# Altium PCB VESC_DEVICE_75100.PcbDoc (part 1 of 3) (continued)
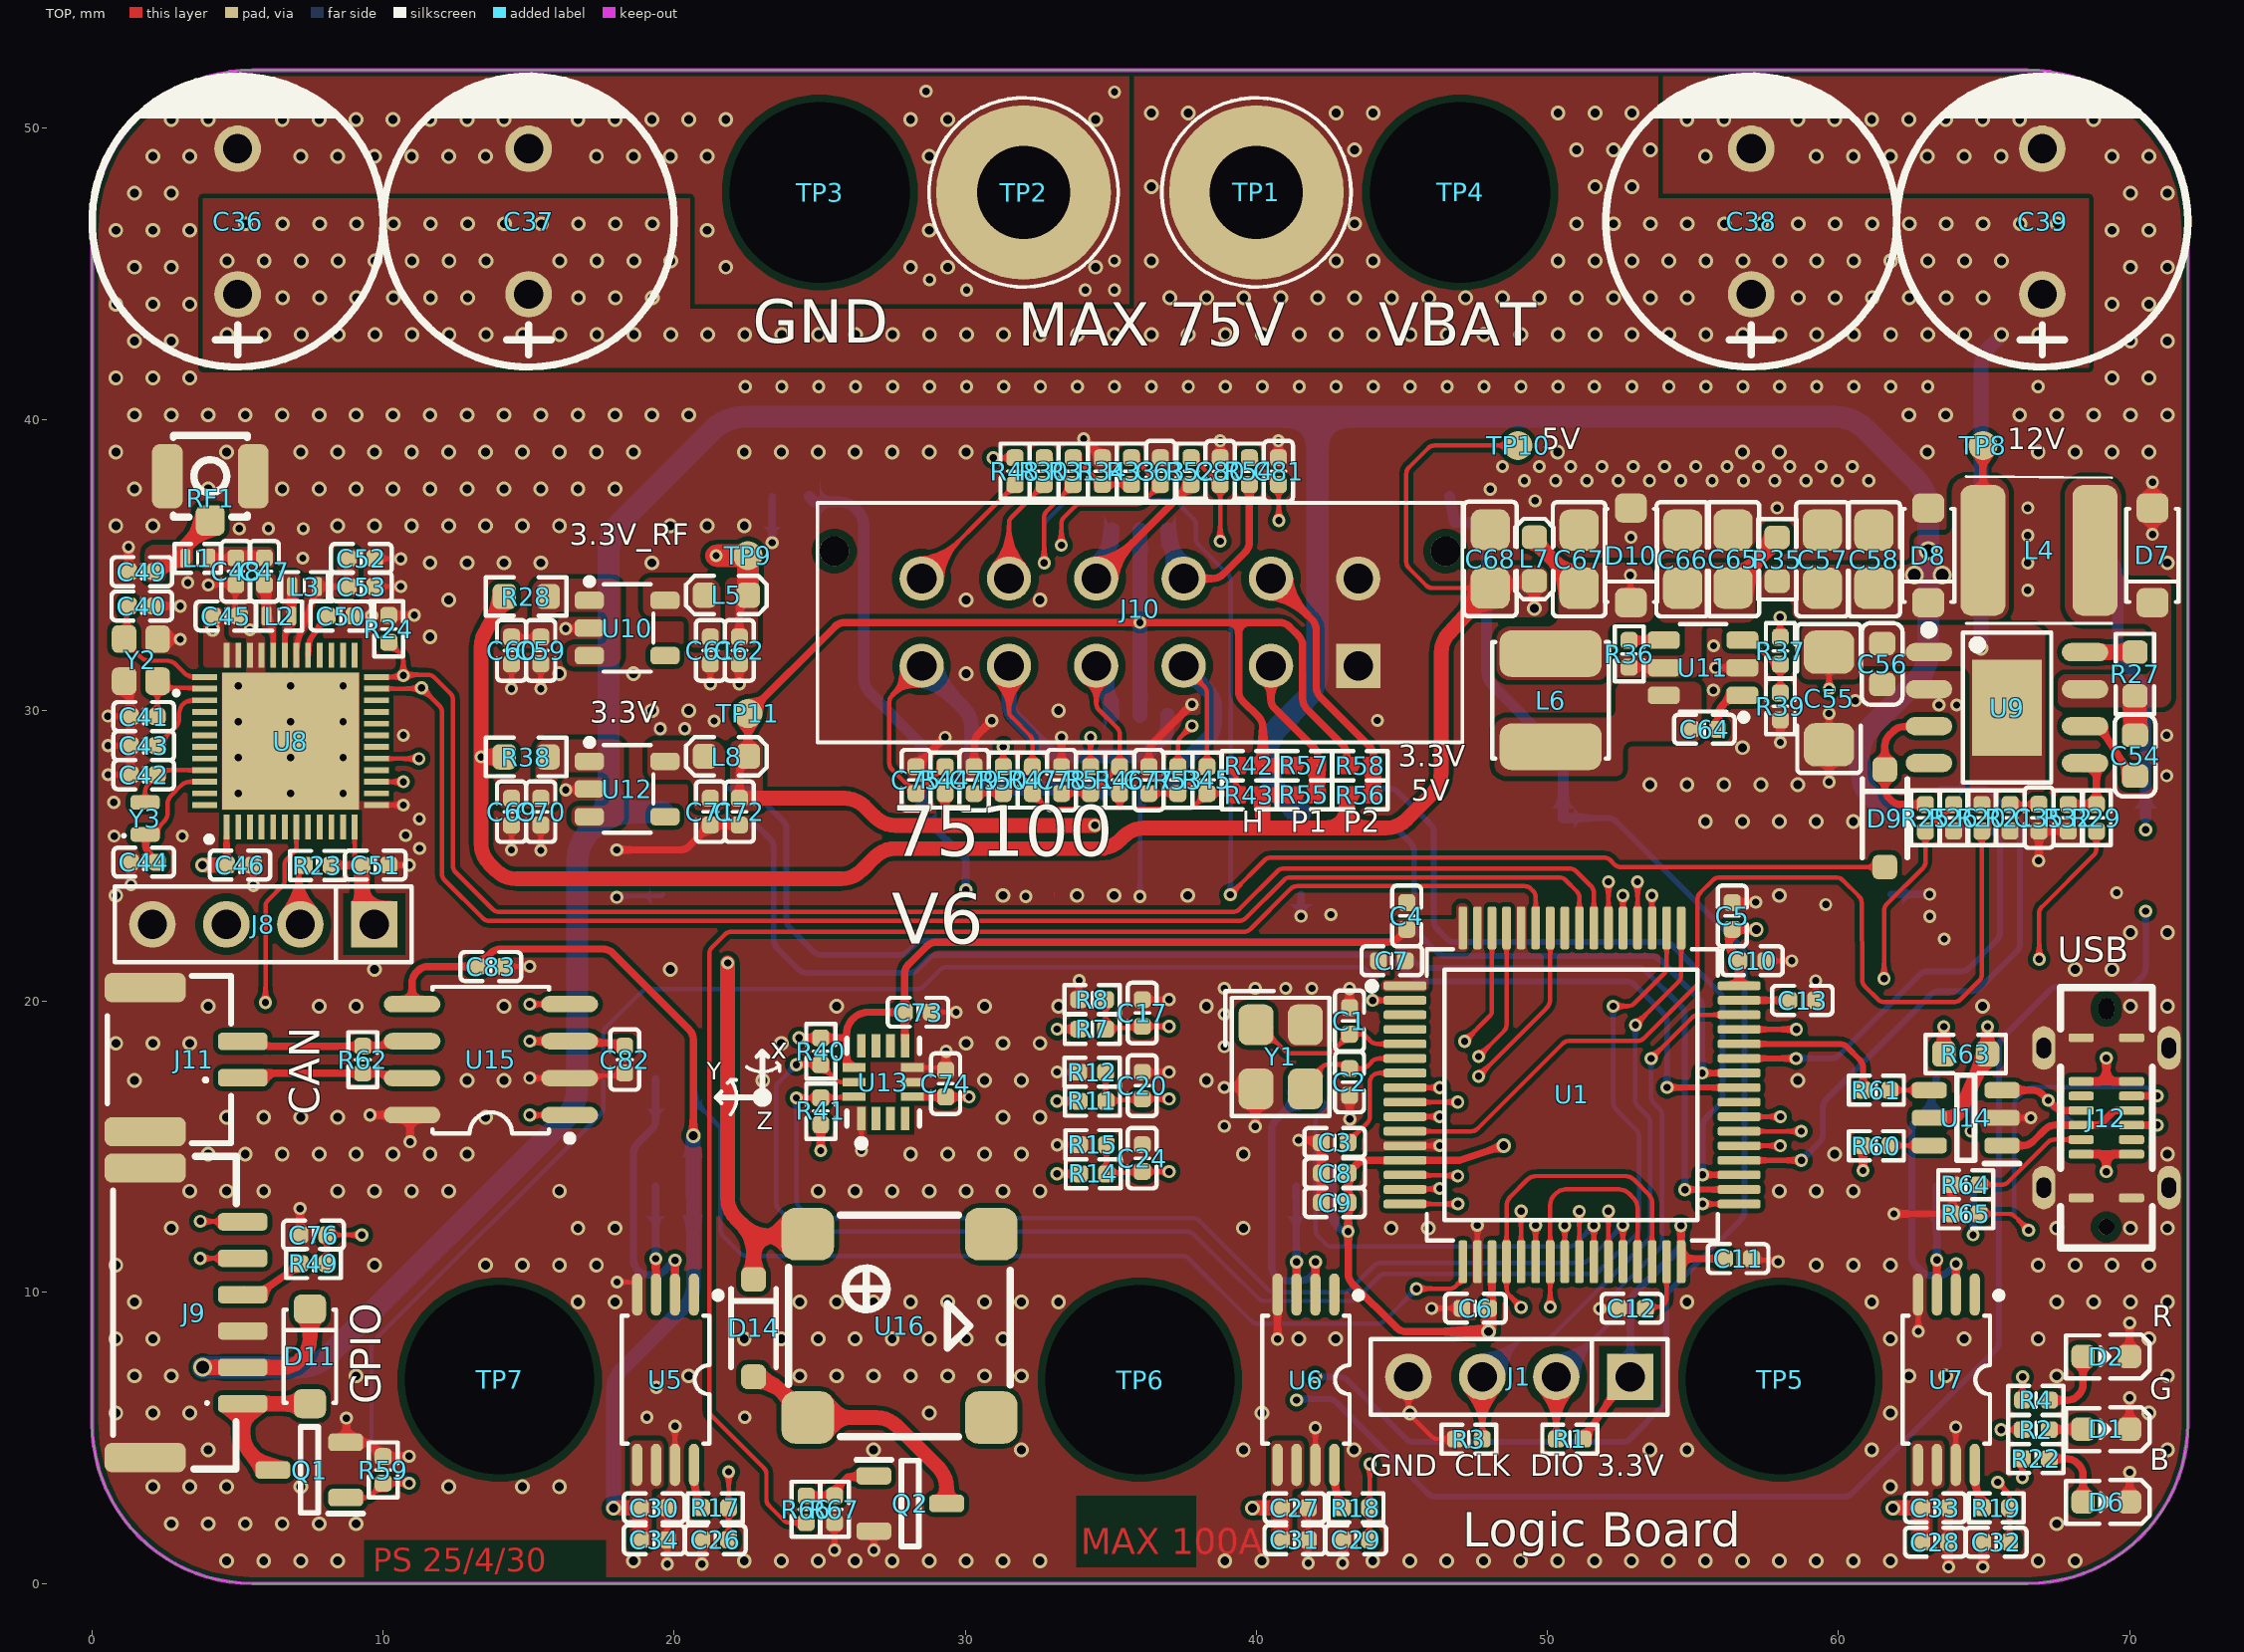
[diagram p0: TOP view]
## Footprints (in the part's own frame and the unit in brackets; to place one, negate y for a bottom-side part, rotate by r counter-clockwise, add the part's x,y. Pads: shape width x height; smd on the part's side, far side on the other; paste and mask are expansions set on the pad)
1N4148WVGS08 [mm]
  rrect50% 0.85x0.85 smd: 1(-1.675,0) 2(1.675,0)
  silkscreen extent -1.35,-0.77 1.35,0.77, body extent -1.85,-0.77 1.85,0.77, height 1.26
43045-12YY_121314 [mm]
  rect 1.52x1.52 hole 1.02: 1(7.5,-1.97)
  round 1.52 hole 1.02: 2(4.5,-1.97) 3(1.5,-1.97) 4(-1.5,-1.97) 5(-4.5,-1.97) 6(-7.5,-1.97) 7(7.5,1.03) 8(4.5,1.03) 9(1.5,1.03) 10(-1.5,1.03) 11(-4.5,1.03) 12(-7.5,1.03)
  round 1.02 hole 1.02 unplated: 13(10.5,1.97) 14(-10.5,1.97)
  silkscreen extent -11.07,-4.6 11.07,3.63, body extent -11.07,-4.51 11.07,4.26, height 8.83
ABS0532768KHZ9T [mm]
  rrect50% 0.5x1 smd: 1(-0.55,0) 2(0.55,0)
  silkscreen extent -0.64,0.68 -0.54,0.78, body extent -0.8,-0.5 0.8,0.5, height 0.5
BM02B-GHS-TBT_1 [mm]
  rrect50% 0.6x1.7 smd: 1(0.625,1.675) 2(-0.625,1.675)
  rrect50% 1x2.8 smd: 3(-2.475,-1.675) 4(2.475,-1.675)
  silkscreen extent -2.87,-2.98 2.88,1.28, body extent -2.87,-2.87 2.88,2.09, height 4.06
BM06BGHSTBTLFSN [mm]
  rrect50% 0.6x1.7 smd: 1(3.125,1.675) 2(1.875,1.675) 3(0.625,1.675) 4(-0.625,1.675) 5(-1.875,1.675) 6(-3.125,1.675)
  rrect50% 1x2.8 smd: 7(-4.975,-1.675) 8(4.975,-1.675)
  silkscreen extent -5.38,-2.77 5.37,1.45, body extent -5.35,-2.74 5.4,2.22, height 4.06
BUZ-SMD_4P-L7.5-W7.5-BR [mm]
  rrect50% 1.8x1.8 smd: 1(3.15,-3.15) 2(3.15,3.15) 3(-3.15,3.15) 4(-3.15,-3.15)
  silkscreen extent -3.81,-3.81 3.81,3.81, body extent -3.75,-3.75 3.75,3.75, height 2.51
C0402 [mm] "C0402"
  rrect52% 0.58x0.58 smd mask+0.05: 1(-0.46,0) 2(0.46,0)
  silkscreen extent -1.04,-0.5 1.04,0.5, body extent -0.5,-0.25 0.5,0.25, height 0.55
C0603 [mil] "C0603"
  rrect50% 31.5x35.4 smd: 1(-27.6,0) 2(27.6,0)
  silkscreen extent -55,-28 55,28, body extent -32,-16 31,16, height 35
C0805 [mil] "C0805"
  rrect50% 55.5x53.1 smd: 1(-39.4,0) 2(39.4,0)
  silkscreen extent -77,-36 77,36, body extent -39,-25 39,25, height 55
C1206 [mil] "C1206"
  rrect50% 58.5x68 smd: 1(-62.7,0) 2(62.6,0)
  silkscreen extent -101,-43 101,43, body extent -63,-31 63,31, height 50
CAP-TH_10.0X17MM [mm]
  round 1.6 hole 1 paste-2539.97 mask+0.05: 1(-2.5,0) 2(2.5,0)
  silkscreen extent -5,-5 5.08,5, body extent -4.99,-5 5,5, height 15.91
CRYSTAL-SMD_4P-L3.2-W2.5-BL [mm]
  rrect50% 1.4x1.2 smd: 1(-1.1,-0.85) 2(1.1,-0.85) 3(1.1,0.85) 4(-1.1,0.85)
  silkscreen extent -2.26,-1.91 2.03,1.68, body extent -1.6,-1.25 1.6,1.25, height 0.8
ESOP-8_L4.9-W3.9-P1.27-LS6.0-BL-EP-1 [mm]
  oval 0.63x1.6 smd: 1(-1.905,-2.682) 2(-0.635,-2.682) 3(0.635,-2.682) 4(1.905,-2.682) 5(1.905,2.682) 6(0.635,2.682) 7(-0.635,2.682) 8(-1.905,2.682)
  rect 3.3x2.4 smd paste+0 mask+0.05: 9(0,0)
  silkscreen extent -2.82,-2.83 2.58,1.52, body extent -2.45,-3 2.45,3, height 1.5
HDR-SMD_4P-P1.27-V-M-R2-C2-LS5.3 [mm]
  rrect50% 0.74x2.2 smd paste+0 mask+0.05: 1(-0.635,-1.85) 2(-0.635,1.85) 3(0.635,-1.85) 4(0.635,1.85)
  silkscreen extent -1.52,-2.49 1.45,1.7, body extent -1.47,-2.4 1.47,2.4, height 4.5
HOLE-4MM_M [mm]
  round 6 hole 3.2: 1(0,0)
  silkscreen extent -3.25,-3.25 3.25,3.25
HOLE-6.2MM_M#1 [mm]
  round 0 hole 6.2 unplated: 1(0,0)
HOLE-6.2MM_M#2 [mm]
  round 0 hole 6.5 unplated: 1(0,0)
IPEX-SMD_BWIPX-1-001E [mm]
  rrect50% 1.05x1 smd: 1(-0.763,0)
  rrect50% 2.2x1.05 smd: 2(0.763,-1.475) 3(0.763,1.475)
  silkscreen extent -0.64,-1.27 2.16,1.27, body extent -0.79,-1.5 2.31,1.5, height 1.26
ISP-4P-2_54 [mm] "ISP-4P-2_54"
  rect 1.6x1.6 hole 1: 1(-3.81,0)
  round 1.6 hole 1: 2(-1.27,0) 3(1.27,0) 4(3.81,0)
  silkscreen extent -5.1,-1.3 5.1,1.3, body extent -5.08,-1.33 5.09,1.33, height 8.54
L0603 [mil] "R0603"
  rrect50% 31.7x34 smd: 1(-29.6,0) 2(29.6,0)
  silkscreen extent -54,-26 54,26, body extent -31,-17 31,17, height 20
L4020 [mil] "L4020"
  rrect50% 63x137.8 smd: 1(-63,0) 2(63,0)
  silkscreen extent -79,-79 79,79, body extent -79,-79 79,79, height 73
L5040 [mm]
  rrect50% 1.55x4.5 smd: 1(-1.925,0) 2(1.925,0)
  silkscreen extent -2.5,-2.54 2.5,2.5, body extent -2.5,-2.52 2.5,2.48, height 4.01
LED0603 [mil] "LED0603"
  rrect50% 31.5x31.5 smd: 1(-31.5,0) 2(31.5,0)
  silkscreen extent -59,-30 55,30, body extent -31,-16 31,16, height 22
LQFP64_10X10_05P [mm] "LQFP64_10X10_05P"
  rrect50% 0.3x1.475 smd: 1(-3.749,-5.751) 2(-3.249,-5.751) 3(-2.749,-5.751) 4(-2.249,-5.751) 5(-1.749,-5.751) 6(-1.249,-5.751) 7(-0.749,-5.751) 8(-0.249,-5.751) 9(0.251,-5.751) 10(0.751,-5.751) 11(1.251,-5.751) 12(1.751,-5.751) 13(2.251,-5.751) 14(2.751,-5.751) 15(3.251,-5.751) 16(3.751,-5.751) 33(3.751,5.725) 34(3.251,5.725) 35(2.751,5.725) 36(2.251,5.725) 37(1.751,5.725) 38(1.251,5.725) 39(0.751,5.725) 40(0.251,5.725) 41(-0.249,5.725) 42(-0.749,5.725) 43(-1.249,5.725) 44(-1.749,5.725) 45(-2.249,5.725) 46(-2.749,5.725) 47(-3.249,5.725) 48(-3.749,5.725)
  rrect50% 1.475x0.3 smd: 17(5.739,-3.763) 18(5.739,-3.263) 19(5.739,-2.763) 20(5.739,-2.263) 21(5.739,-1.763) 22(5.739,-1.263) 23(5.739,-0.763) 24(5.739,-0.263) 25(5.739,0.237) 26(5.739,0.737) 27(5.739,1.237) 28(5.739,1.737) 29(5.739,2.237) 30(5.739,2.737) 31(5.739,3.237) 32(5.739,3.737) 49(-5.737,3.737) 50(-5.737,3.237) 51(-5.737,2.737) 52(-5.737,2.237) 53(-5.737,1.737) 54(-5.737,1.237) 55(-5.737,0.737) 56(-5.737,0.237) 57(-5.737,-0.263) 58(-5.737,-0.763) 59(-5.737,-1.263) 60(-5.737,-1.763) 61(-5.737,-2.263) 62(-5.737,-2.763) 63(-5.737,-3.263) 64(-5.737,-3.763)
  silkscreen extent -5,-7.02 5,5, body extent -5.97,-6 6.03,6, height 1.31
LQG15WH0N7B02D [mm]
  rrect50% 0.35x0.65 smd: 1(-0.425,0) 2(0.425,0)
  silkscreen extent -0.8,-0.5 0.8,0.5, body extent -0.5,-0.25 0.5,0.25, height 0.55
PQFN50P300X250X88-14N [mm]
  rect 0.8x0.3 smd: 1(-1.25,0.75) 2(-1.25,0.25) 3(-1.25,-0.25) 4(-1.25,-0.75) 8(1.25,-0.75) 9(1.25,-0.25) 10(1.25,0.25) 11(1.25,0.75)
  rect 0.3x0.8 smd: 5(-0.5,-1) 6(0,-1) 7(0.5,-1) 12(0.5,1) 13(0,1) 14(-0.5,1)
  silkscreen extent -2.22,-1.25 1.5,1.25, body extent -1.5,-1.25 1.5,1.25, height 1
Q22FA12800400 [mm]
  rrect50% 0.95x0.85 smd: 1(-0.725,-0.575) 2(0.725,-0.575) 3(0.725,0.575) 4(-0.725,0.575)
  silkscreen extent -1.18,-1.27 -1.08,-1.17, body extent -1.11,-0.91 1.11,0.91, height 0.6
QFN40P600X600X95-49N-D [mm]
  rect 0.85x0.2 smd: 1(-2.95,2.2) 2(-2.95,1.8) 3(-2.95,1.4) 4(-2.95,1) 5(-2.95,0.6) 6(-2.95,0.2) 7(-2.95,-0.2) 8(-2.95,-0.6) 9(-2.95,-1) 10(-2.95,-1.4) 11(-2.95,-1.8) 12(-2.95,-2.2) 25(2.95,-2.2) 26(2.95,-1.8) 27(2.95,-1.4) 28(2.95,-1) 29(2.95,-0.6) 30(2.95,-0.2) 31(2.95,0.2) 32(2.95,0.6) 33(2.95,1) 34(2.95,1.4) 35(2.95,1.8) 36(2.95,2.2)
  rect 0.2x0.85 smd: 13(-2.2,-2.95) 14(-1.8,-2.95) 15(-1.4,-2.95) 16(-1,-2.95) 17(-0.6,-2.95) 18(-0.2,-2.95) 19(0.2,-2.95) 20(0.6,-2.95) 21(1,-2.95) 22(1.4,-2.95) 23(1.8,-2.95) 24(2.2,-2.95) 37(2.2,2.95) 38(1.8,2.95) 39(1.4,2.95) 40(1,2.95) 41(0.6,2.95) 42(0.2,2.95) 43(-0.2,2.95) 44(-0.6,2.95) 45(-1,2.95) 46(-1.4,2.95) 47(-1.8,2.95) 48(-2.2,2.95)
  rect 4.7x4.7 smd: 49(0,0)
  silkscreen extent -3.47,2.7 -3.28,2.9, body extent -3.05,-3.05 3.05,3.05, height 0.95
R0402 [mm] "R0402"
  rrect52% 0.58x0.58 smd mask+0.05: 1(-0.46,0) 2(0.46,0)
  silkscreen extent -0.94,-0.5 0.94,0.5, body extent -0.5,-0.25 0.5,0.25, height 0.4
R0603 [mil] "R0603"
  rrect50% 31.7x34 smd: 1(-29.6,0) 2(29.6,0)
  silkscreen extent -55,-26 55,26, body extent -31,-17 31,17, height 20
SOD-123F [mm] "SOD-123F"
  rrect50% 1.001x1.1 smd: 1(-1.628,0) 2(1.628,0)
  silkscreen extent -1.6,-0.9 1.6,0.9, body extent -1.85,-0.9 1.85,0.9, height 1.19
SOIC-8_L4.9-W3.9-P1.27-LS6.0-BL [mm]
  oval 0.588x1.6 smd: 1(-1.905,-2.672) 2(-0.635,-2.672) 3(0.635,-2.672) 4(1.905,-2.672) 5(1.905,2.672) 6(0.635,2.672) 7(-0.635,2.672) 8(-1.905,2.672)
  silkscreen extent -2.8,-2.92 2.53,1.52, body extent -2.45,-3 2.45,3, height 1.75
"SOLDER BRIDGE_0402" [mil]
  round 1 smd mask+1.97: 1(-18.11,0) 2(18.11,0)
  TOP region: 7.87,0 2.22,-11.42 23.59,-11.42 25.86,-10.97 27.79,-9.68 29.08,-7.75 29.53,-5.48 29.53,-5.48 29.53,5.48 29.08,7.75 27.79,9.68 25.86,10.97 23.59,11.42 23.59,11.42 2.22,11.42
  TOP region: -23.59,-11.42 -25.86,-10.97 -27.79,-9.68 -29.08,-7.76 -29.53,-5.48 -29.53,-5.48 -29.53,5.48 -28.73,8.45 -26.56,10.62 -23.59,11.41 -23.59,11.42 -5.6,11.42 0,0 -5.6,-11.42
  silkscreen extent -37,-20 37,20
SOP-8 [mil] "SOP-8"
  oval 22.4x76.81 smd: 1(-75,-106.5) 2(-25,-106.5) 3(25,-106.5) 4(75,-106.5) 5(75,106.5) 6(25,106.5) 7(-25,106.5) 8(-75,106.5)
  silkscreen extent -110,-111 98,79, body extent -96,-118 96,118, height 69
SOT95P280X125-3N [mm]
  rrect50% 1.2x0.6 smd: 1(-1.25,0.95) 2(-1.25,-0.95) 3(1.25,0)
  silkscreen extent -1.85,-1.48 0.3,1.5, body extent -1.4,-1.48 1.4,1.48, height 1.25
SOT95P280X145-6N [mm]
  rrect50% 1.2x0.55 smd: 1(-1.25,0.95) 2(-1.25,0) 3(-1.25,-0.95) 4(1.25,-0.95) 5(1.25,0) 6(1.25,0.95)
  silkscreen extent -1.82,-1.46 0.3,1.43, body extent -1.4,-1.46 1.4,1.46, height 1.45
SOT-23-5 [mm] "SOT-23-5"
  rrect50% 1.001x0.599 smd: 1(1.301,-0.95) 2(1.301,0) 3(1.301,0.95) 4(-1.301,0.95) 5(-1.301,-0.95)
  silkscreen extent -0.9,-1.7 1.4,1.5, body extent -1.4,-1.45 1.4,1.45, height 1.3
SOT-23-6 [mm] "SOT-23-6"
  rrect50% 1.1x0.599 smd: 1(1.349,-0.95) 2(1.349,0) 3(1.349,0.95) 4(-1.349,0.95) 5(-1.349,0) 6(-1.349,-0.95)
  silkscreen extent -0.8,-1.8 1.5,1.5, body extent -1.4,-1.45 1.4,1.45, height 0.97
TEST_POINT_100_SMD [mm] "TEST_POINT_100_SMD"
  round 1 smd paste-100 mask+0.05: 1(0,0)
TSSOP-8 [mm] "TSSOP-8"
  oval 0.353x1.453 smd: 1(-0.975,-2.926) 2(-0.325,-2.926) 3(0.325,-2.926) 4(0.975,-2.926) 5(0.975,2.926) 6(0.325,2.926) 7(-0.325,2.926) 8(-0.975,2.926)
  silkscreen extent -1.9,-3 1.5,2.2, body extent -1.5,-3.2 1.5,3.2, height 1.2
USB-C-SMD_SOUHAN_TYPE-C-16PLT-H6.5 [mm]
  round 0.55 hole 0.55 unplated: 1(-3.75,0)
  oval 0.73x0.53 hole 0.53 slot 0.73 at 0 deg unplated: 1(3.75,0)
  rrect50% 0.3x0.87 smd mask+0.051: A1(-2.75,0.865) A4(-1.25,0.865) A5(-0.75,0.865) A6(-0.25,0.865) A7(0.25,0.865) A8(0.75,0.865) A9(1.25,0.865) A12(2.75,0.865) B1(2.75,-0.865) B4(1.25,-0.865) B5(0.75,-0.865) B6(0.25,-0.865) B7(-0.25,-0.865) B8(-0.75,-0.865) B9(-1.25,-0.865) B12(-2.75,-0.865)
  oval 1.5x0.8 hole 0.5 slot 0.7 at 0 deg: A2(2.4,-2.15) A10(-2.4,-2.15) B2(2.4,2.15) B10(-2.4,2.15)
  silkscreen extent -4.47,-1.58 4.47,1.58, body extent -4.47,-2.3 4.47,2.3, height 6.4

## Part data
C1 C2 C3 C4 C5 C6 C7 C8 C9 C10 C11 C12 C13 C14 C15 C16 C17 C18 C19 C20 C21 C22 C23 C24 C25 C26 C27 C28 C29 C30 C31 C32 C33 C34 C35 C40 C41 C42 C43 C44 C45 C46 C47 C48 C49 C50 C51 C52 C53 C54 C55 C56 C57 C58 C59 C60 C61 C62 C63 C64 C65 C66 C67 C68 C69 C70 C71 C72 C73 C74 C75 C76 C77 C78 C79 C80 C81 C82 C83: library part "CAP NP"
  C1 C2 C3 C4 C5 C6 C7 C8 C9 C10 C11 C12 C13 C17 C20 C24 C26 C27 C28 C29 C30 C31 C32 C33 C34 C35 C40 C41 C42 C43 C44 C45 C46 C47 C48 C49 C50 C51 C52 C53 C59 C60 C61 C62 C63 C64 C69 C70 C71 C72 C73 C74 C75 C76 C77 C78 C79 C80 C81 C82 C83: PCB Footprint=C0402
  C14 C15 C16 C18 C19 C21 C22 C23 C25 C54 C56: PCB Footprint=C0603
  C55: PCB Footprint=C1206
  C57 C58 C65 C66 C67 C68: PCB Footprint=C0805
C36 C37 C38 C39: library part ERS1VM681G16OT, "容值:680uF;精度:±20%;额定电压:35V;纹波电流:-;等效串联电阻:-;", Equivalent Series Resistance(ESR)=-, LCSC Part Name="680uF ±20% 35V", Manufacturer=AISHI(艾华集团), Rated Voltage=35V, Tolerance=±20%, Add into BOM=yes, Convert to PCB=yes, Datasheet=https://atta.szlcsc.com/upload/public/pdf/source/20191015/C438940_4B8E60A742BB0AE40DDEF87A5C89089D.pdf, Device=ERS1VM681G16OT, L=-, Lead Spacing=-, Lifetime @ Temp=-, Manufacturer Part=ERS1VM681G16OT, Ripple Current=-, Supplier=LCSC, Supplier Footprint=插件,D10xL16mm, Supplier Part=C721283, Symbol=ERS1VM681G16OT, φD=-
D1 D2 D6: library part LED, PCB Footprint=LED0603
D3 D4 D5 D7 D8 D10 D11: library part "DIODE SCHOTTKY21", PCB Footprint=SOD-123F
D9 D14: library part 1N4148W-V-GS08, "Diode", Manufacturer_Name=Vishay, Mouser Part Number=625-1N4148W-V, Arrow Part Number=1N4148W-V-GS08, Arrow Price/Stock=https://www.arrow.com/en/products/1n4148w-v-gs08/vishay, Datasheet Link=https://us.rs-online.com/m/d/a2789c8794cb0c42ced29f2dd8571f3c.pdf, Height=1.35mm, Manufacturer_Part_Number=1N4148W-V-GS08, Mouser Price/Stock=https://www.mouser.co.uk/ProductDetail/Vishay-Semiconductors/1N4148W-V-GS08?qs=TNTIDjy6APrS%2Fdgq1RSs3A%3D%3D
D12 D13: "TVS Diode (Uni-directional)", Manufacturer_Name=LITTELFUSE, Mouser Part Number=576-SRV05-4HTG, Arrow Part Number=SRV05-4HTG, Arrow Price/Stock=https://www.arrow.com/en/products/srv05-4htg/littelfuse?region=nac, Datasheet Link=https://componentsearchengine.com/Datasheets/2/SRV05-4HTG.pdf, Height=1.45mm, Manufacturer_Part_Number=SRV05-4HTG, Mouser Price/Stock=https://www.mouser.co.uk/ProductDetail/Littelfuse/SRV05-4HTG?qs=TI15CVqcli3Liexbf3C%2FVA%3D%3D
J2 J3 J4 J5 J6 J7: Color=黑色, Current Rating (Max)=1A, JLCPCB Part Class="Extended Part", LCSC Part Name="2x2P 间距:1.27mm 方针 立贴", Manufacturer=HCTL(华灿天禄), Operating Temperature Range=-40℃~+105℃, Soldering Temperature(Max)=260℃@10S, Add into BOM=yes, Circluar Pins/Square Pins=方针, Contact Material=黄铜, Convert to PCB=yes, Datasheet=https://atta.szlcsc.com/upload/public/pdf/source/20230609/2ACB07ADC7D4DAF6D292F3D23C037F6C.pdf, Device=PZ127-2-02-S, Insulation Height=1.5mm, Length of End Connection Pin=-, Length of Mating Pin=4mm, Manufacturer Part=PZ127-2-02-S, Mounting Type=立贴, Number of Pins=4P, Number of Rows=双排, Pin Structure=2x2P, Pitch=1.27mm, Row Spacing=1.27mm, Supplier=LCSC, Supplier Footprint=SMD,P=1.27mm, Supplier Part=C3975185, Symbol=PZ127-2-02-S
J10: "Connector", Manufacturer_Name=Molex, Mouser Part Number=538-43045-1212, Datasheet Link=https://www.molex.com/pdm_docs/sd/430450612_sd.pdf, Height=9.91mm, Manufacturer_Part_Number=43045-1212, Mouser Price/Stock=https://www.mouser.co.uk/ProductDetail/Molex/43045-1212?qs=359VwiUTsp27ERpkj8aHfQ%3D%3D
J12: library part "TYPE-C 16PLC-H6.5", "连接器类型:Type-C;标准:USB 3.1;公母:母;安装方式:直插;触点数量:16P;端口数量:1;额定电流 - 电源:5A;触头材质:-;触头镀层:-;工作温度范围:-40℃~+85℃;", Core Colour=黑色, Current Rating - Power (Max)=5A, LCSC Part Name="Type-C 母 直插", Manufacturer="SHOU HAN(首韩)", Operating Temperature Range=-40℃~+85℃, Rated Voltage (Max)=20V, Add into BOM=yes, Connect-Disconnect Life=1万次, Connector Type=Type-C, Contact Material=-, Contact Plating=-, Convert to PCB=yes, Datasheet=https://atta.szlcsc.com/upload/public/pdf/source/20240529/CC9428849977884A813B584EA396EFE9.pdf, Device="TYPE-C 16PLC-H10.0", Gender=母, Manufacturer Part="TYPE-C 16PLC-H10.0", Mounting Style=直插, Number of Contacts=16P, Number of Ports=1, Standard="USB 3.1", Supplier=LCSC, Supplier Footprint=插件, Supplier Part=C3151747, Symbol="TYPE-C 16PLC-H10.0"
L1 L2 L3: library part LQG15HS4N7C02D, "Inductor", Manufacturer_Name="Murata Electronics", Mouser Part Number=81-LQG15HS4N7C02D, Arrow Part Number=LQG15HS4N7C02D, Arrow Price/Stock=https://www.arrow.com/en/products/lqg15hs4n7c02d/murata-manufacturing, Datasheet Link=https://search.murata.co.jp/Ceramy/image/img/P02/JELF243B-0010.pdf, Height=0.6mm, Manufacturer_Part_Number=LQG15HS4N7C02D, Mouser Price/Stock=https://www.mouser.co.uk/ProductDetail/Murata-Electronics/LQG15HS4N7C02D?qs=60uY6ySkanQsgm4t8ngjFA%3D%3D
L4: library part 74404054221, "Inductor", Manufacturer_Name="Wurth Elektronik", Mouser Part Number=710-74404054221, Datasheet Link=https://www.mouser.com/datasheet/2/445/74404054221-1280555.pdf, Height=4mm, Manufacturer_Part_Number=74404054221, Mouser Price/Stock=https://www.mouser.co.uk/ProductDetail/Wurth-Elektronik/74404054221?qs=f9yNj16SXrLBSuRgk86STQ%3D%3D
L5 L7 L8: "Inductor", Arrow Part Number=LQG15HS4N7C02D, Manufacturer_Name="Murata Electronics", Mouser Part Number=81-LQG15HS4N7C02D, Arrow Price/Stock=https://www.arrow.com/en/products/lqg15hs4n7c02d/murata-manufacturing, Datasheet Link=https://search.murata.co.jp/Ceramy/image/img/P02/JELF243B-0010.pdf, Height=0.6mm, Manufacturer_Part_Number=LQG15HS4N7C02D, Mouser Price/Stock=https://www.mouser.co.uk/ProductDetail/Murata-Electronics/LQG15HS4N7C02D?qs=60uY6ySkanQsgm4t8ngjFA%3D%3D
L6: library part INDUCTOR, PCB Footprint=L4020
Q1 Q2: "MOSFET (N-Channel)", Manufacturer_Name="Alpha & Omega Semiconductors", Arrow Part Number=AO3400A, Arrow Price/Stock=https://www.arrow.com/en/products/ao3400a/alpha-and-omega-semiconductor?utm_currency=USD&region=nac, Datasheet Link=http://aosmd.com/res/data_sheets/AO3400A.pdf, Height=1.25mm, Manufacturer_Part_Number=AO3400A
R1 R2 R3 R4 R5 R6 R7 R8 R9 R10 R11 R12 R13 R14 R15 R16 R17 R18 R19 R20 R21 R22 R23 R24 R25 R26 R27 R28 R29 R30 R31 R32 R33 R34 R35 R36 R37 R38 R39 R40 R41 R42 R43 R44 R45 R46 R47 R48 R49 R50 R51 R52 R53 R54 R55 R56 R57 R58 R59 R60 R61 R62 R63 R64 R65 R66 R67: library part RESISTOR
  R1 R2 R3 R4 R5 R6 R7 R8 R9 R10 R11 R12 R13 R14 R15 R16 R17 R18 R19 R20 R21 R22 R23 R24 R25 R26 R27 R28 R29 R30 R31 R32 R33 R34 R35 R36 R37 R38 R39 R40 R41 R42 R43 R44 R45 R46 R47 R48 R49 R50 R51 R52 R53 R54 R55 R56 R57 R58 R59 R60 R61 R62 R64 R65 R66 R67: PCB Footprint=R0402
  R63: PCB Footprint=R0603
RF1: Frequency-Max=6GHz, JLCPCB Part Class=扩展库, LCSC Part Name="IPEX 内针", Manufacturer="BAT WIRELESS(蝙蝠无线)", Operating Temperature Range=-, Add into BOM=yes, Connector Type=板端, Convert to PCB=yes, Datasheet=https://atta.szlcsc.com/upload/public/pdf/source/20201223/C496552_05E5A9956EAE1A8819C5051D085B1DED.pdf, Device=BWIPX-1-001E, Impedance=50Ω, Interface Diameter=-, Interface Length/Height=-, Interface Type=内针, Manufacturer Part=BWIPX-1-001E, Number of Ports=1, RF Series=IPEX, Style=-, Supplier=LCSC, Supplier Footprint=SMD, Supplier Part=C496552, Symbol=BWIPX-1-001E
U2 U3 U4: JLCPCB Part Class="Extended Part", Manufacturer=EG(屹晶微), Add into BOM=yes, Convert to PCB=yes, Datasheet=https://atta.szlcsc.com/upload/public/pdf/source/20230725/3992D5BD05E91E0CBB5D3EE72F4B3B26.pdf, Device=EG3112, LCSC Part Name=EG3112, Manufacturer Part=EG3112, Supplier=LCSC, Supplier Footprint=SOIC-8, Supplier Part=C111908, Symbol=EG3112
U8: "Integrated Circuit", Arrow Part Number=NRF51822-QFAA-R, Manufacturer_Name="Nordic Semiconductor", Mouser Part Number=949-NRF51822-QFAA-R, Arrow Price/Stock=https://www.arrow.com/en/products/nrf51822-qfaa-r/nordic-semiconductor?utm_currency=USD&region=nac, Datasheet Link=https://datasheet.datasheetarchive.com/originals/distributors/Datasheets-DGA5/435665.pdf, Height=0.95mm, Manufacturer_Part_Number=nRF51822-QFAA-R, Mouser Price/Stock=https://www.mouser.co.uk/ProductDetail/Nordic-Semiconductor/nRF51822-QFAA-R?qs=7xCC5jQa1OJP%2FZdtChopZw%3D%3D
U9: Input Voltage=10V~120V, JLCPCB Part Class="Extended Part", LCSC Part Name=高性价比宽电压降压DCDC电源芯片, Manufacturer=EG(屹晶微), Manufacturer Part=EG1198, Operating Temperature=-45℃~+125℃, Output Current=1.5A, Output Voltage=-, Switching Frequency=120kHz, Add into BOM=yes, Convert to PCB=yes, Datasheet=https://atta.szlcsc.com/upload/public/pdf/source/20211208/030CAF1F902F9A81F24E8BE238D4FEDC.pdf, Device=EG1192, Function=降压型, Number of Outputs=1, Output Type=-, Quiescent Current (Iq)=-, Supplier=LCSC, Supplier Footprint=ESOP-8, Supplier Part=C2987436, Switch tube (built-in/external)=内置, Symbol=EG1192, Synchronous Rectification=-, Topology=降压式
U13: "Integrated Circuit", Manufacturer_Name=BOSCH, Mouser Part Number=262-BMI160, Arrow Part Number=BMI160, Arrow Price/Stock=https://www.arrow.com/en/products/bmi160/bosch?region=nac, Datasheet Link=https://datasheet.datasheetarchive.com/originals/distributors/DKDS41/DSANUWW0031095.pdf, Height=0.88mm, Manufacturer_Part_Number=BMI160, Mouser Price/Stock=https://www.mouser.co.uk/ProductDetail/Bosch-Sensortec/BMI160?qs=Lj1LZLjqIN1DEsUDgjehlg%3D%3D
U14: "Integrated Circuit", Manufacturer_Name=STMicroelectronics, Mouser Part Number=511-USBLC6-2SC6, Arrow Part Number=USBLC6-2SC6, Arrow Price/Stock=https://www.arrow.com/en/products/usblc6-2sc6/stmicroelectronics?utm_currency=USD&region=europe, Datasheet Link=http://www.st.com/st-web-ui/static/active/en/resource/technical/document/datasheet/CD00050750.pdf, Height=1.45mm, Manufacturer_Part_Number=USBLC6-2SC6, Mouser Price/Stock=https://www.mouser.co.uk/ProductDetail/STMicroelectronics/USBLC6-2SC6?qs=po45yt2pPpu%2FhNIlwQdTlg%3D%3D
U16: library part HYG-7525A, Current Consumption=90mA, JLCPCB Part Class=扩展库, LCSC Part Name=贴片无源蜂鸣器, Manufacturer=HYDZ(华宇), Add into BOM=yes, Convert to PCB=yes, Datasheet=https://atta.szlcsc.com/upload/public/pdf/source/20230825/78098EC44B170663F3151CF5366FAD5D.pdf, Device=HYG-7525A, Manufacturer Part=HYG-7525A, Sound Pressure Level(SPL)=85dB, Supplier=LCSC, Supplier Footprint=SMD,7.5x7.5mm, Supplier Part=C7544812, Symbol=HYG-7525A
Y1: "Crystal or Oscillator", Manufacturer_Name="Seiko Epson Corporation", Manufacturer_Part_Number=Q22FA12800400, Datasheet Link=https://datasheet.lcsc.com/szlcsc/Seiko-Epson-Q22FA12800400_C255875.pdf, Height=0.5mm
Y2: library part Q22FA12800400, "Crystal or Oscillator", Manufacturer_Name="Seiko Epson Corporation", Datasheet Link=https://datasheet.lcsc.com/szlcsc/Seiko-Epson-Q22FA12800400_C255875.pdf, Height=0.5mm, Manufacturer_Part_Number=Q22FA12800400
Y3: library part ABS05-32.768KHZ-9-T, "Crystal or Oscillator", Manufacturer_Name=ABRACON, Mouser Part Number=815-ABS05-32.768K9T, Arrow Part Number=ABS05-32.768KHZ-9-T, Arrow Price/Stock=https://www.arrow.com/en/products/abs05-32.768khz-9-t/abracon?region=nac, Datasheet Link=https://abracon.com/Resonators/ABS05.pdf, Height=0.5mm, Manufacturer_Part_Number=ABS05-32.768KHZ-9-T, Mouser Price/Stock=https://www.mouser.co.uk/ProductDetail/ABRACON/ABS05-32.768KHZ-9-T?qs=Pyu0ZBy%2FIJbsNYnIET1z3A%3D%3D
J1 J8: PCB Footprint=ISP-4P-2_54
U5 U6 U7: PCB Footprint=TSSOP-8
U10 U12: PCB Footprint=SOT-23-5
U11: PCB Footprint=SOT-23-6
U15: PCB Footprint=SOP-8

## Via types
v1: diameter 0.508, hole 0.305, TOP to BOTTOM, tented both sides, 556 vias
v2: diameter 0.45, hole 0.25, TOP to BOTTOM, tented both sides, 325 vias
v3: diameter 0.65, hole 0.45, TOP to BOTTOM, tented both sides, 4 vias

## Nets (pads, with @x,y where several pads share a name; then routed paths per layer and width w, separated by ;. In a path a pad name is that pad's centre, name@x,y a point inside that pad or via, vN(x,y) a via of type N, cw(c..) or ccw(c..) an arc to the next point about the centre after c; other vN are vias at no path point)
3V3: C4.2 C5.2 C6.2 C7.2 C8.2 C9.2 C10.2 C11.2 C27.2 C28.2 C30.2 C31.2 C33.2 C34.2 C72.1 C73.1 C74.1 C83.1 D12.5 D13.5 J1.1 J2.1 J4.1 J6.1 L8.2 R1.2 R40.2 R41.2 R42.2 R44.2 R57.1 R58.1 TP11.1 U1.1 U1.13 U1.19 U1.32 U1.48 U1.64 U5.5 U5.6 U6.5 U6.6 U7.5 U7.6 U13.5 U13.8 U13.12 U15.5 | length 279.2
  TOP w0.254: U15.5@10.995,19.905 10.995,20.643 cw(c11.503,20.643) 11.143,21.002 11.193,21.052 cw(c11.552,20.692) 11.552,21.2 C83.1@13.24,21.2 13.692,21.652 cw(c14.05,21.292) 14.05,21.8 17.536,21.8 cw(c17.536,21.292) 17.894,21.652 20.51,19.036 cw(c20.15,18.678) 20.658,18.678 v1(20.658,15.39) ; C72.1@22.239,26.98 22.239,27.822 cw(c22.747,27.822) 22.316,28.091 22.378,28.19 L8.2@22.545,28.42 22.537,28.651 22.537,29.797 ccw(c22.029,29.797) 22.532,29.871 TP11.1@22.529,29.888 25.513,32.872 cw(c25.871,32.512) 25.871,33.02 v2(36,33.02) 39.391,33.02 ; v2(24.287,18.745) 25.172,18.745 25.915,18.745 ; v2(25.031,14.875) ccw(c24.524,14.905) 25.032,14.905 25.032,15.626 R41.2@25.032,15.765 ; U13.12@26.179,17.725 25.915,17.748 25.915,18.745 ; U13.8@27.929,18.475 27.92,18.748 27.92,19.489 C73.1@27.911,19.628 ; U13.5@28.179,16.725 29.186,16.725 C74.1@29.325,16.715 v2(30.13,16.715) ; 29.231,26.05 ccw(c28.796,26.312) 29.304,26.312 R44.2@29.304,27.145 ; R42.2@40.221,28.1 40.221,29.418 ccw(c39.713,29.418) 40.072,29.777 39.538,30.311 cw(c39.899,30.669) 39.391,30.669 39.391,33.02 ; R58.1@43.105,28.1 43.105,28.466 ccw(c42.597,28.466) 42.957,28.825 41.737,30.045 cw(c42.097,30.403) 41.589,30.403 41.589,32.211 ccw(c41.081,32.211) 41.442,32.569 41.139,32.872 ccw(c40.78,32.512) 40.78,33.02 39.391,33.02 ; C4.2@45.168,22.476 45.029,22.337 44.876,22.184 cw(c44.517,22.543) 44.517,22.035 29.024,22.035 ccw(c29.024,21.527) 28.665,21.887 28.059,21.281 ccw(c28.419,20.923) 27.911,20.923 C73.1@27.911,19.628 ; v1(47.98,8.653) 45.157,8.653 cw(c45.157,9.161) 44.799,8.801 43.299,10.301 cw(c43.66,10.658) 43.152,10.658 v2(43.152,12.096) cw(c43.66,12.12) 43.152,12.119 43.152,12.948 C9.2@43.151,13.087 C8.2@43.151,14.099 43.442,14.39 cw(c43.801,14.03) 43.801,14.538 U1.13@45.106,14.538 46.894,14.538 ccw(c46.894,15.046) 47.054,14.564 v1(48.497,15.043) ; C6.2@47.98,9.453 48.094,9.592 U1.19@48.094,11.05 ; R1.2@51.228,4.959 51.323,5.098 52.232,6.427 J1.1@52.84,7.1 ; v2(54.582,12.294) 54.588,12.288 54.588,11.056 U1.32@54.594,11.05 54.594,11.138 54.617,11.161 C11.2@56.088,11.161 ; U1.48@56.582,20.538 56.582,21.408 56.454,21.534 ccw(c56.074,21.197) 56.434,21.556 56.382,21.608 cw(c56.742,21.966) 56.234,21.966 56.234,22.337 C5.2@56.347,22.476 56.487,22.474 57.131,22.474 cw(c57.129,21.966) v1(57.173,22.472) ; 25.915,18.745 25.915,18.866 cw(c26.677,18.866) 26.677,19.628 C73.1@27.911,19.628
  TOP w0.508: v1(17.913,2.587) cw(c18.075,1.584) 18.075,2.6 C30.2@18.812,2.6 ; C34.2@18.847,1.5 18.847,1.536 C30.2@18.847,2.6 ; C72.1@22.239,26.98 22.275,26.98 25.834,26.98 cw(c25.834,25.964) 26.552,26.682 26.887,26.348 ccw(c27.605,27.066) 27.605,26.05 29.231,26.05 v2(34.451,26.05) ; v1(39.866,2.587) cw(c40.028,1.584) 40.028,2.6 C27.2@40.859,2.6 C31.2@40.859,1.5 ; R42.2@40.221,28.1 R57.1@41.182,28.1 ; v1(47.98,8.653) C6.2@47.98,9.453 ; v1(61.869,2.591) cw(c62.001,1.584) 62.001,2.6 C33.2@62.859,2.6 C28.2@62.859,1.42
  LAYER_2 w0.254: v1(20.658,15.39) 24.955,15.39 ; v2(24.287,18.745) 27.89,18.745 cw(c27.89,18.237) 28.249,18.597 29.771,17.075 v2(30.13,16.715) 28.953,15.538 cw(c28.595,15.898) 28.595,15.39 24.955,15.39 ; v2(25.031,14.875) 25.031,15.315 24.955,15.39 ; v2(54.582,12.294) 54.635,12.294 54.954,11.975 v2(64.623,11.975) ; v1(57.173,22.472) 60.615,22.472 cw(c60.615,21.964) 60.973,22.324 62.104,21.193 cw(c61.744,20.835) 62.252,20.835 62.252,17.176 ccw(c62.76,17.176) 62.4,16.818 62.778,16.44 ccw(c63.135,16.801) 63.135,16.293 64.426,16.293 cw(c64.426,15.785) 64.785,16.145 65.075,15.854 cw(c64.715,15.496) 65.223,15.496 65.223,12.785 cw(c64.715,12.785) 65.075,12.427 v2@64.586,11.937
  LAYER_2 w0.508: v1(17.913,2.587) v1(39.866,2.587) 46.02,2.587 ; v2(34.451,26.05) 42.926,26.05 cw(c42.926,25.034) 43.643,25.753 48.2,21.196 cw(c47.481,20.479) 48.497,20.479 v1(48.497,15.043) ; v1(47.98,8.653) 50.866,8.653 cw(c50.866,7.637) 51.583,8.356 52.294,7.646 J1.1@52.84,7.1 51.749,6.009 cw(c51.032,6.729) 51.032,5.713 49.566,5.713 ccw(c49.566,4.697) 48.849,5.416 46.02,2.587 ; v1(61.869,2.591) cw(c61.774,3.603) 61.776,2.587 46.02,2.587
  BOTTOM w0.254: J4.1@42.635,14.25 42.635,12.604 ccw(c43.143,12.604) 43.143,12.096 v2(43.152,12.096) ; J1.1@52.84,7.1 52.847,7.773 52.847,9.614 cw(c53.355,9.614) 52.995,9.972 54.434,11.412 ccw(c54.074,11.77) 54.582,11.77 v2(54.582,12.294) ; v2(64.623,11.975) ccw(c64.121,12.052) 64.629,12.052 64.629,12.735 J6.1@64.635,13.65
  BOTTOM w0.508: v1(17.913,2.587) 17.913,6.651 cw(c18.929,6.651) 18.21,7.368 20.361,9.52 ccw(c19.642,10.237) 20.658,10.237 20.658,12.804 20.646,13.661 20.646,15.24 cw(c21.662,15.238) v1@20.658,15.39 ; D12.5@36,29.825 v2(36,33.02) D13.5@36,36.215
3V3_RF: C45.2 C46.2 C51.2 C62.1 J8.1 L5.2 R23.1 TP9.1 U8.1 U8.12 U8.35 U8.36 | length 48.6
  TOP w0.152: C51.2@9.021,24.784 U8.12@9.021,25.996
  TOP w0.203: C46.2@4.621,24.684 U8.1@4.621,25.672
  TOP w0.254: R23.1@8.219,24.684 C51.2@9.271,24.684 ; C62.1@22.239,32.521 22.239,33.581 cw(c22.747,33.581) 22.322,33.858 22.344,33.892 L5.2@22.406,33.961
  TOP w0.508: v1(3.791,24.684) 4.585,24.684 C46.2@4.621,24.72 ; v1(4.139,32.785) C45.2@4.139,33.246 ; C51.2@9.271,24.684 9.271,23.071 J8.1@9.693,22.65
  TOP w0.762: v2(21.439,35.318) TP9.1@22.529,35.318 ; TP9.1@22.406,35.318 TP9.1@22.529,35.318 ; L5.2@22.545,33.961 22.541,34.012 22.536,34.501 22.535,34.646 ccw(c21.011,34.636) 22.535,34.652 TP9.1@22.529,35.318
  LAYER_2 w0.508: v1(4.139,32.785) 4.139,25.031 3.372,24.264 3.372,22.26 ccw(c4.388,22.26) 4.388,21.244 8.286,21.244 J8.1@9.693,22.65 11.25,22.65 12.123,23.523 ccw(c11.404,24.241) 12.42,24.241 12.42,28.032 cw(c13.436,28.032) 12.717,28.749 13.512,29.545 cw(c14.589,28.466) 14.589,29.99 15.48,29.99 ccw(c15.48,31.514) 16.557,30.436 v2(21.439,35.318)
5V: C68.1 C82.2 D14.1 L7.2 R28.1 R38.1 R43.2 R55.1 R56.1 R63.2 TP10.1 U15.3 U16.1 | length 129
  TOP w0.152: C68.1@48.035,34.205 46.05,34.205 cw(c46.05,34.509) 45.835,34.293 45.238,34.89 cw(c45.455,35.105) 45.15,35.105 45.15,38.134 cw(c45.455,38.134) 45.239,38.349 45.901,39.011 cw(c46.116,38.795) 46.116,39.1 TP10.1@48.984,39.1
  TOP w0.254: v2(15.036,18.635) U15.3@16.405,18.635 ccw(c16.645,19.083) 16.644,18.575 18.161,18.575 C82.2@18.3,18.46 ; C68.1@48.035,34.205 48.372,34.326 49.317,34.326 L7.2@49.548,34.448 v1(49.548,33.503)
  TOP w0.381: R63.2@63.616,18.194 v2(63.616,19.13)
  TOP w0.508: R38.1@14.144,28.4 v2(13.36,28.4) ; R28.1@14.164,33.913 14.068,33.735 13.481,32.643 ccw(c14.376,32.162) 13.36,32.162 v2(13.36,28.4) ; v2(21.838,21.319) ccw(c22.846,21.197) 21.83,21.199 21.83,13.254 ccw(c22.846,13.254) 22.126,12.537 22.725,11.938 ; D14.1@22.725,10.45 22.725,11.938 ; U16.1@24.589,12 24.527,11.938 22.725,11.938 ; 40.237,25.956 cw(c41.237,26.134) 40.221,26.134 R43.2@40.221,27.101 R55.1@41.182,27.101 ; R56.1@43.105,27.1 43.105,25.956 ; C68.1@48.035,34.205 47.698,33.837 46.617,32.659 ccw(c47.366,31.972) 46.35,31.972 46.35,27.864 cw(c45.334,27.864) 46.053,27.147 45.159,26.253 cw(c44.442,26.972) 44.442,25.956 43.105,25.956 ; v2(13.36,28.4) 13.36,25.436 ccw(c14.376,25.436) 13.656,24.72 13.871,24.504 ccw(c14.589,25.224) 14.589,24.208 25.721,24.208 ccw(c25.721,25.224) 26.439,24.505 26.887,24.953 cw(c27.605,24.234) 27.605,25.25 34.601,25.25 ccw(c34.601,26.266) 35.319,25.547 35.431,25.66 cw(c36.149,24.94) 36.149,25.956 43.105,25.956
  LAYER_2 w0.254: v1(49.548,33.503) 49.548,28.896 ccw(c50.056,28.896) 49.695,28.538 52.364,25.869 ccw(c52.723,26.228) 52.723,25.72 54.56,25.72 cw(c54.56,25.212) 54.917,25.574 55.294,25.201 ccw(c55.652,25.562) 55.652,25.054 59.777,25.054 cw(c59.777,24.546) 60.146,24.896 63.477,21.378 cw(c63.108,21.029) 63.616,21.029 v2(63.616,19.13)
  LAYER_2 w0.508: v2(13.36,28.4) 13.36,22.16 ; v2(15.036,18.635) 14.485,18.635 cw(c14.485,19.651) 13.768,18.932 13.656,19.044 cw(c14.376,19.76) 13.36,19.76 13.36,22.16 ; v2(21.838,21.319) 21.294,21.863 ccw(c20.576,21.144) 20.576,22.16 13.36,22.16
12V: C14.2 C15.2 C18.2 C19.2 C22.2 C23.2 C57.1 C58.1 D3.2 D4.2 D5.2 D8.1 D11.1 J9.2 L4.2 R29.2 R35.2 TP8.1 U2.1 U3.1 U4.1 | length 143.1
  TOP w0.152: v2(66.891,21.45) 66.891,23.026 cw(c67.196,23.026) 66.98,23.241 68.772,25.033 ccw(c68.556,25.248) 68.861,25.248 R29.2@68.861,25.848
  TOP w0.254: L4.2@64.961,35.495 TP8.1@64.961,39.1
  TOP w0.508: v3(3.8,7.425) 6.702,7.425 6.998,7.548 7.156,7.692 ccw(c6.469,8.441) 7.485,8.441 D11.1@7.485,9.431
  LAYER_2 w0.254: v3@62.68,34.558 v3(62.605,34.647) cw(c62.182,34.365) 62.65,34.562 62.73,34.374 cw(c62.262,34.176) 62.77,34.176 62.77,25.782 ccw(c63.278,25.782) 62.918,25.423 v2(66.891,21.45)
  LAYER_2 w0.762: v3(62.605,34.647) v3(63.556,34.647)
  BOTTOM w0.762: v3(3.8,7.425) 7.078,7.425 ccw(c7.078,8.949) 8.156,7.871 16.222,15.937 ccw(c15.144,17.014) 16.668,17.014 16.668,24.792 cw(c18.192,24.792) 17.113,25.869 17.742,26.497 ; C23.2@19.615,26.497 17.742,26.497 ; C18.2@41.514,26.497 41.445,26.516 40.759,27.167 cw(c41.264,27.699) 40.56,27.496 40.418,27.986 cw(c41.882,28.408) 40.803,29.485 41.651,30.333 ccw(c40.574,31.411) 42.098,31.411 42.098,40.087 ; C14.2@61.808,26.497 61.739,26.516 61.053,27.167 cw(c61.558,27.699) 60.839,27.554 60.73,28.097 cw(c62.224,28.396) 61.145,29.473 62.633,30.961 ccw(c61.555,32.038) 63.079,32.038 v3(63.079,35.491) 63.079,36.877 ccw(c61.555,36.877) 62.634,37.954 60.947,39.641 ccw(c59.87,38.563) 59.87,40.087 42.098,40.087 ; 17.742,26.497 17.742,35.417 cw(c19.266,35.417) 18.187,36.494 21.334,39.641 cw(c22.411,38.563) 22.411,40.087 42.098,40.087
ADC_TEMP1: J2.2 U1.17 | length 33.5
  TOP w0.152: v2(45.5,10.126) 46.63,10.126 ccw(c46.63,10.431) 46.845,10.215 47.02,10.389 U1.17@47.094,11.05
  BOTTOM w0.152: J2.2@20.635,17.35 20.82,16.435 21.503,15.752 cw(c21.287,15.537) 21.591,15.537 21.591,12.155 ccw(c21.896,12.155) 21.68,11.94 22.273,11.347 ccw(c22.488,11.563) 22.488,11.258 37.454,11.258 cw(c37.454,10.954) 37.669,11.169 39.815,9.023 ccw(c40.03,9.239) 40.03,8.934 44.182,8.934 ccw(c44.182,9.239) 44.397,9.023 v2(45.5,10.126)
ADC_TEMP2: J4.2 U1.26 | length 16.7
  TOP w0.152: U1.26@51.594,11.05 v2(51.594,12.294)
  BOTTOM w0.152: J4.2@42.635,17.35 42.45,16.435 42.125,16.11 ccw(c42.341,15.895) 42.036,15.895 42.036,12.138 ccw(c42.341,12.138) 42.125,11.923 42.378,11.67 ccw(c42.593,11.886) 42.593,11.581 50.755,11.581 ccw(c50.755,11.886) 50.97,11.67 v2(51.594,12.294)
ADC_TEMP3: J6.2 U1.27 | length 18.3
  TOP w0.152: U1.27@52.094,11.05 v2(52.094,12.794)
  LAYER_2 w0.152: v2(52.094,12.794) 54.809,12.794 cw(c54.809,12.489) 55.023,12.705 55.309,12.419 ccw(c55.524,12.635) 55.524,12.331 60.547,12.331 ccw(c60.547,12.635) 60.762,12.419 61.811,13.468 ccw(c61.594,13.683) 61.899,13.683 61.899,14.88 cw(c62.204,14.88) 61.988,15.095 62.347,15.454 cw(c62.562,15.238) 62.562,15.543 v2(64.548,15.543)
  BOTTOM w0.152: v2(64.548,15.543) ccw(c64.287,15.7) 64.591,15.7 64.591,16.435 J6.2@64.635,17.35
ADC_VIN: C35.2 R20.1 R21.2 U1.11 | length 36.2
  TOP w0.152: U1.11@45.106,15.538 47.385,15.538 ccw(c47.385,15.843) 47.6,15.627 50.524,18.552 cw(c50.739,18.336) 50.739,18.64 53.097,18.64 ccw(c53.097,18.945) 53.312,18.729 55.07,20.487 ccw(c54.854,20.702) 55.159,20.702 55.159,23.517 cw(c55.463,23.517) 55.247,23.732 55.678,24.163 cw(c55.893,23.947) 55.893,24.252 59.936,24.252 cw(c59.936,23.947) 60.153,24.161 60.702,23.612 cw(c60.487,23.396) 60.792,23.399 60.813,20.734 ccw(c61.118,20.736) 60.902,20.521 61.359,20.063 ccw(c61.574,20.279) 61.574,19.975 63.97,19.975 ccw(c63.97,20.279) 64.185,20.063 64.835,20.714 ccw(c64.619,20.928) 64.924,20.928 R20.1@64.924,25.85 65.063,25.966 65.071,25.973 ccw(c64.861,26.194) 65.076,25.977 65.754,26.656 R21.2@65.893,26.77 66.032,26.773 66.745,26.773 C35.2@66.885,26.775
AUX: Q1.1 R59.1 U1.2 | length 51.1
  TOP w0.152: Q1.1@8.713,2.948 9.414,2.948 ccw(c9.414,3.177) 9.575,3.015 R59.1@10,3.44 v2(10.892,3.44) ; v2(43.994,20.035) 43.996,20.037 45.104,20.037 U1.2@45.106,20.038
  BOTTOM w0.152: v2(10.892,3.44) 9.689,4.643 cw(c9.905,4.858) 9.6,4.858 9.6,8.128 cw(c9.905,8.128) 9.689,8.343 17.475,16.129 ccw(c17.259,16.344) 17.563,16.344 17.563,18.887 cw(c17.868,18.887) 17.652,19.102 18.882,20.332 cw(c19.097,20.116) 19.097,20.42 28.343,20.42 ccw(c28.343,20.725) 28.558,20.509 29.136,21.087 cw(c29.351,20.871) 29.351,21.175 43.676,21.175 43.994,20.857 v2(43.994,20.035)
BMI160_SCL: R40.1 U1.50 U13.13 | length 51.1
  TOP w0.152: v2(24.193,17.825) R40.1@25.032,17.825 25.172,17.686 25.544,17.314 ccw(c25.759,17.53) 25.759,17.225 U13.13@26.179,17.225 ; v2(52.257,19.835) 52.764,19.835 ccw(c52.764,20.14) 52.979,19.924 54.005,20.95 ccw(c53.789,21.165) 54.094,21.165 U1.50@54.094,22.526
  BOTTOM w0.152: v2(24.193,17.825) 23.587,17.219 ccw(c23.803,17.004) 23.498,17.004 23.498,13.078 ccw(c23.803,13.078) 23.587,12.863 24.272,12.178 ccw(c24.487,12.394) 24.487,12.089 37.615,12.089 cw(c37.615,11.784) 37.829,12.001 40.071,9.792 ccw(c40.284,10.01) 40.284,9.705 43.247,9.705 ccw(c43.247,10.01) 43.462,9.793 44.216,10.548 cw(c44.431,10.331) 44.431,10.636 51.553,10.636 ccw(c51.553,10.941) 51.768,10.725 53.055,12.012 ccw(c52.839,12.227) 53.143,12.227 53.143,15.365 ccw(c52.839,15.365) 53.056,15.579 52.346,16.299 cw(c52.562,16.514) 52.257,16.514 v2(52.257,19.835)
BMI160_SDA: R41.1 U1.28 U13.14 | length 37.4
  TOP w0.152: v2(24.197,16.689) ccw(c24.229,16.992) 24.229,16.687 24.893,16.687 R41.1@25.032,16.685 25.172,16.705 25.855,16.705 U13.14@26.179,16.725 ; v2(52.59,12.308) 52.592,12.306 52.592,11.712 52.594,11.712 U1.28@52.594,11.05
  BOTTOM w0.152: v2(24.197,16.689) 24.197,13.154 ccw(c24.502,13.154) 24.285,12.939 24.586,12.639 ccw(c24.8,12.855) 24.8,12.55 37.826,12.55 cw(c37.826,12.245) 38.041,12.461 40.404,10.098 ccw(c40.619,10.314) 40.619,10.01 43.003,10.01 ccw(c43.003,10.314) 43.218,10.098 44.05,10.93 cw(c44.265,10.714) 44.265,11.019 51.184,11.019 ccw(c51.184,11.324) 51.399,11.108 52.551,12.26 ccw(c52.334,12.474) v2(52.59,12.308)
BRAKE: C80.2 R52.2 U1.22 | length 57.7
  TOP w0.152: R52.2@37.756,38.681 R52.2@37.895,38.582 ; R52.2@37.896,38.581 38.617,37.894 C80.2@38.756,37.761 38.757,37.622 38.757,35.841 ccw(c39.062,35.842) v2(38.759,35.816) ; U1.22@49.594,11.05 v2(49.594,12.303)
  LAYER_2 w0.152: v2(38.759,35.816) ccw(c38.485,35.681) 38.7,35.898 38.541,36.056 ccw(c38.326,35.84) 38.326,36.145 27.838,36.145 ccw(c27.838,35.84) 27.623,36.056 27.055,35.488 ccw(c27.271,35.273) 26.966,35.273 26.966,29.437 ccw(c27.271,29.437) 27.055,29.222 29.179,27.097 ccw(c29.394,27.313) 29.394,27.009 43.696,27.009 cw(c43.696,26.704) 43.911,26.92 49.505,21.326 cw(c49.289,21.111) 49.594,21.111 v2(49.594,12.303)
BRAKE_C: D13.6 J10.10 R52.1 | length 6.4
  TOP w0.254: J10.10@34.5,34.53 ccw(c34.248,34.971) 34.607,34.611 R52.1@37.756,37.761
  BOTTOM w0.508: J10.10@34.5,34.53 35.029,35.869 D13.6@35.05,36.215
BUCK_EN: R25.1 R26.2 U1.33 | length 22.1
  TOP w0.152: v2(55.332,13.038) U1.33@56.582,13.038 ; v2(61.564,20.784) 61.564,23.126 cw(c61.868,23.126) 61.652,23.341 62.897,24.586 ccw(c62.681,24.801) 62.986,24.801 R25.1@62.986,25.85 63.125,25.99 63.816,26.631 R26.2@63.955,26.77
  LAYER_2 w0.152: v2(55.332,13.038) 55.646,12.724 ccw(c55.861,12.94) 55.861,12.635 60.305,12.635 ccw(c60.305,12.94) 60.52,12.724 61.475,13.679 ccw(c61.259,13.894) 61.564,13.894 v2(61.564,20.784)
BUZZER: R66.2 U1.59 | length 51.9
  TOP w0.152: R66.2@24.532,2.088 23.967,2.088 cw(c23.967,2.393) 23.752,2.177 23.255,2.673 cw(c23.471,2.888) 23.167,2.888 23.167,3.751 ccw(c22.862,3.751) 23.079,3.966 21.291,5.754 cw(c21.507,5.969) 21.202,5.969 21.202,21.635 cw(c21.507,21.635) 21.291,21.85 21.745,22.304 cw(c21.96,22.088) 21.96,22.393 39.573,22.393 ccw(c39.573,22.698) 39.788,22.481 41.176,23.87 cw(c41.391,23.654) 41.391,23.958 49.216,23.958 cw(c49.216,23.654) 49.433,23.868 49.505,23.796 cw(c49.289,23.581) 49.594,23.581 U1.59@49.594,22.526
CAN_H: J11.1 R62.1 U15.7 | length 5.9
  TOP w0.254: J11.1@5.175,17.375 5.45,17.525 5.561,17.533 cw(c5.596,17.026) 5.595,17.534 9.161,17.54 R62.1@9.287,17.54 ; R62.1@9.313,17.54 9.439,17.54 9.833,17.54 cw(c9.833,17.032) 10.059,17.487 10.304,17.365 U15.7@10.995,17.365